# KiCad board weisse_cpu.kicad_pcb (continued)
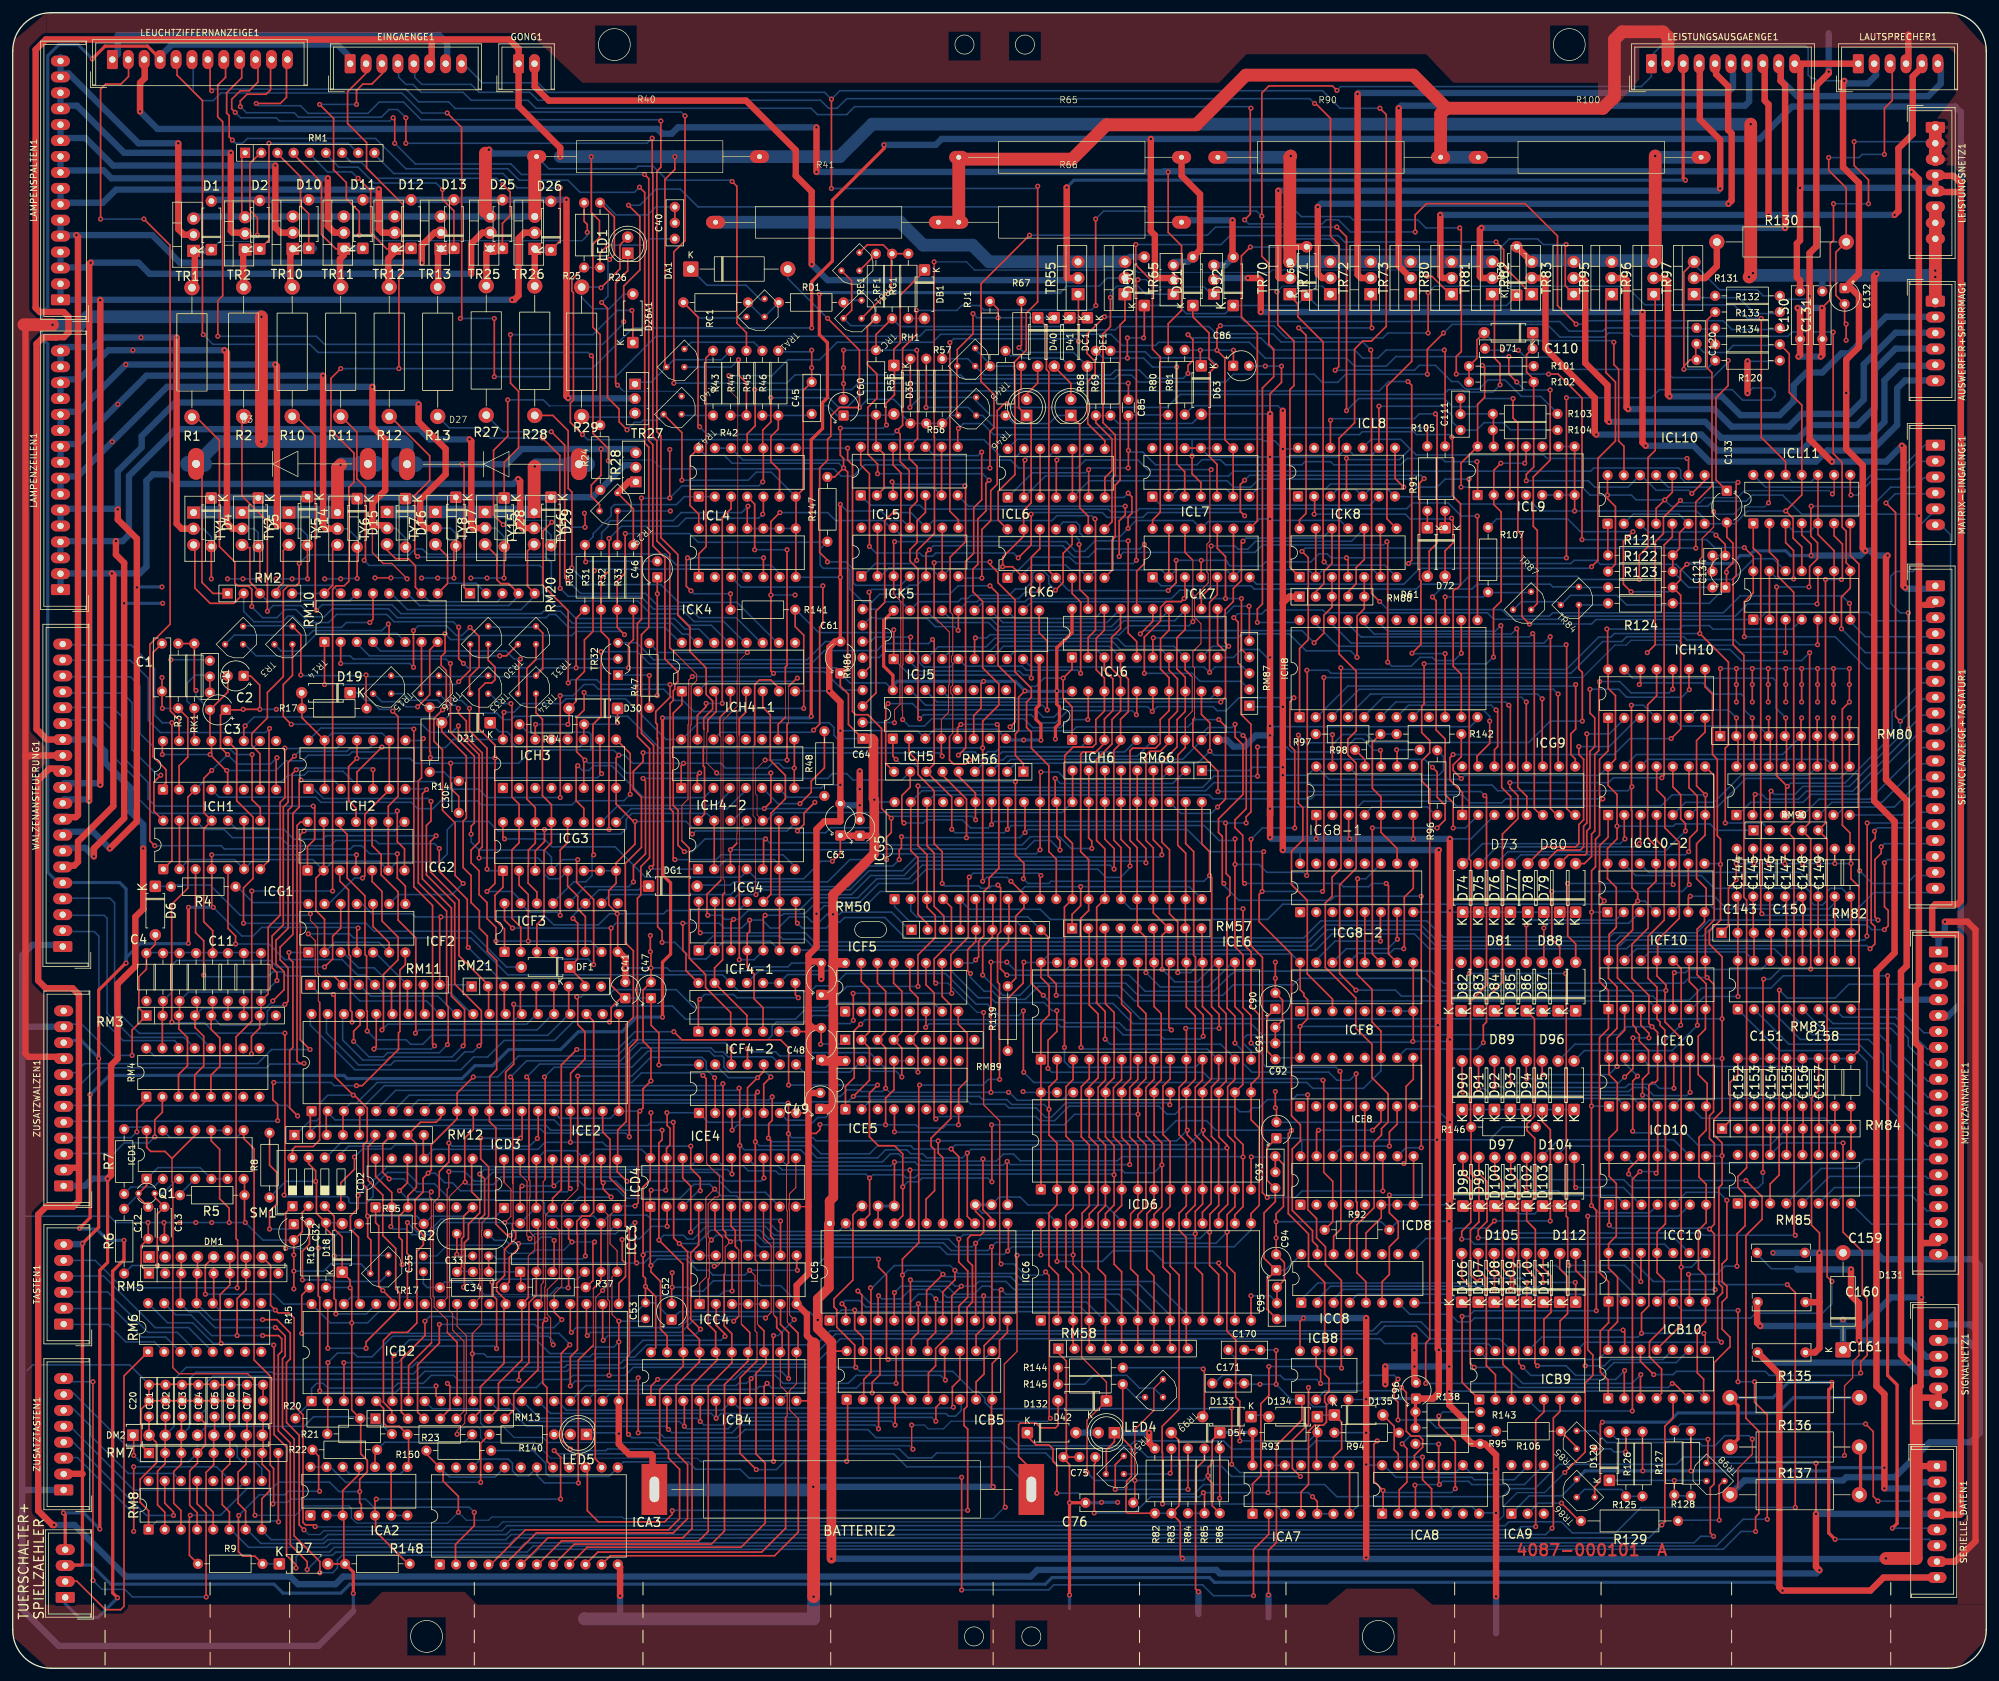
[diagram p0: board, top side]
## Routing (per net, layer and track width the routed paths; a pad name or vN(x,y) marks a point on that pad's centre or on a via; arc(x,y) is an arc through that point) (continued)
Net-(ICG8-1-Q0): length 6.3
  Top w0.25: ICG8-1.9 217.46,144.17 v1(217.38,144.25)
  Bottom w0.25: R98.2 v1(217.38,144.25)
Net-(ICG8-1-Q2): length 11.8
  Bottom w0.25: 223.5,134 222.25,135.25 213.5,135.25 212.6,134.35
Net-(ICG9-CLOCK): length 71.3
  Top w0.25: v1(226.27,131.97) 226.27,135.91 225,137.18 225,145.94 223.58,147.36 223.58,167.67 v1(223,168.25)
  Bottom w0.25: 230.2,134.01 228.17,131.97 v1(226.27,131.97) ; TR84.1 241.92,169.83 241.5,170.25 230,170.25 229.25,169.5 224.25,169.5 v1(223,168.25) ; 250.59,169.75 245.71,169.75
Net-(ICH1A-+TR1): length 78
  Top w0.25: ICH3.9 97,143.65 v1(97,137.25)
  Bottom w0.25: ICH1.4 32.42,136.8 47.6,136.8 48.4,136 62.6,136 63.6,135 66,135 67.2,136.2 73,136.2 73.6,135.6 87.85,135.6 88.5,136.25 96,136.25 v1(97,137.25)
Net-(ICH1A-Cx1): length 24
  Top w0.25: C1.2 22.05,159.54 22.05,143.15 24.08,141.12 24.08,139.09 23.6,138.6
Net-(ICH1A-Rx1_Cx1): length 21.3
  Top w0.25: v1(23.45,155.6) C1.1 23.45,151.05 23.5,151 v1(23.5,150.75) ; ICH1.2 26.14,141.74 27.5,143.1 27.5,149.25 26,150.75
  Bottom w0.25: 26,150.75 v1(23.5,150.75)
Net-(ICH1A-~{Q1}): length 118.7
  Top w0.25: v1(45,173.5) 45,170.5 44.5,170 43.25,170 42.5,169.25 42.5,155.75 40,153.25 40,149.25 37.55,146.8 37.55,144.93 38.84,143.63 ICH1.7
  Bottom w0.25: v1(45,173.5) 46.35,174.85 62.27,174.85 63.2,175.79 64.34,175.79 65.18,174.96 89.04,174.96 89.09,175 102.5,175 104.25,173.25 119.13,173.25 121,171.38
Net-(ICH1B-Cx2): length 19.4
  Top w0.25: ICH1.15 26.14,148.97 24.75,150.36 24.75,158.29 v1(24.85,158.39)
  Bottom w0.25: 30.81,158.39 v1(24.85,158.39)
Net-(ICH1B-Rx2_Cx2): length 16.2
  Top w0.25: RK1.1 28.53,145.77 ; CI1.2 CI1.2
  Bottom w0.25: 31.2,155.98 28.66,155.98 27.39,154.71 27.39,151.91 RK1.1
Net-(ICH2A-+): length 75.6
  Top w0.25: C8.1 31.4,102.32 ; 31.12,89.8 31.12,93.12 32.53,94.53 32.53,98.97 31.17,100.33 RM3.5 ; v1(45.25,139.5) 45,139.25 45,135.25 44,134.25 44,115.25 42,113.25 42,111.25 43.25,110 43.25,104.75 v1(42.75,104.25)
  Bottom w0.25: RM3.5 32.67,101 39.5,101 40,101.5 40,103.25 40.75,104 42.5,104 v1(42.75,104.25) ; v1(45.25,139.5) 50.41,139.5 51.96,137.95
Net-(ICH2B-+): length 83.6
  Top w0.25: v1(44.53,141.12) 43.9,140.48 43.9,135.4 43.26,134.77 43.26,116.23 41.36,114.32 41.36,110.64 42.63,109.37 42.63,106.57 v1(40.85,104.8) ; 28.58,89.8 28.58,93.18 30,94.59 30,99.25 28.63,100.62 RM3.4 ; v1(56.6,141.12) 56.61,141.1 ICH2.5 ; 28.98,104.62 28.98,102.2
  Bottom w0.25: RM3.4 29.75,103.62 39.68,103.62 v1(40.85,104.8) ; v1(56.6,141.12) 56.34,141.37 44.78,141.37 v1(44.53,141.12)
Net-(ICH2C-+): length 83.6
  Top w0.25: RM3.3 26.09,100.41 27.46,99.04 27.46,94.66 26.04,93.24 26.04,89.8 ; v1(44.25,143.25) 43.25,142.25 43.25,136 42.5,135.25 42.5,116.75 40.75,115 40.75,110 41.5,109.25 v1(41.5,108) ; C6.1 26.2,102.44
  Bottom w0.25: C6.1 27.59,106.19 39.69,106.19 v1(41.5,108) ; v1(44.25,143.25) 45,144 52.5,144 52.94,144.44 55.91,144.44 57.03,145.57
Net-(ICH2D-+): length 77.1
  Top w0.25: v1(42.75,144.5) 42.75,136.75 42,136 42,118.25 40.12,116.38 40.12,105.93 C11.1 39,102.34 ; RM3.8 38.79,100.54 37.5,99.25 v1(37.5,96.5)
  Bottom w0.25: 51.96,145.57 50.83,144.44 42.81,144.44 v1(42.75,144.5) ; v1(37.5,96.5) 37.2,96.2 22.18,96.2 20.96,97.42
Net-(ICH3-CLK): length 33.1
  Top w0.25: ICH3.10 92.24,140.76 v1(92.5,140.5)
  Bottom w0.25: R14.1 67.75,140.75 68.65,139.85 91.85,139.85 v1(92.5,140.5)
Net-(ICH4-1-O1): length 101.7
  Top w0.25: 36,196.32 36,184.13 40,180.13 v1(40,166)
  Bottom w0.25: 105.3,160.62 102.45,163.47 87.3,163.47 85.27,165.5 84.3,165.5 83.79,164.99 60.41,164.99 59.01,166.39 50.19,166.39 48.92,165.12 47.08,165.12 45.3,166.9 40.9,166.9 v1(40,166)
Net-(ICH4-1-O2): length 95.3
  Top w0.25: v1(47.71,166.14) 47.53,166.32 47.53,185.22 47.5,185.25 47.5,193.6 44.5,196.6
  Bottom w0.25: 107.84,160.62 106.06,162.4 105.2,162.4 103.5,164.1 87.94,164.1 86.03,166.01 83.39,166.01 83.01,165.63 60.97,165.63 59.57,167.03 48.59,167.03 v1(47.71,166.14)
Net-(ICH4-1-O3): length 87.3
  Top w0.25: 51.6,196.6 54.05,194.15 54.05,186.8 55.4,185.45 55.4,174.2 v1(55.2,174)
  Bottom w0.25: 110.38,160.62 107.8,163.2 105.6,163.2 103.93,164.87 88.47,164.87 86.57,166.77 85.3,166.77 83.2,168.87 83.2,172.8 82.8,173.2 56,173.2 v1(55.2,174)
Net-(ICH4-1-O4): length 83.8
  Top w0.25: 59.3,196.6 65.5,190.4 65.5,186.55 63.15,184.2 63.15,175.05 v1(63.6,174.6)
  Bottom w0.25: 112.92,160.62 109.74,163.8 106.2,163.8 104.4,165.6 100.2,165.6 98.2,167.6 85.61,167.6 84.6,168.61 84.6,173.69 83.79,174.5 63.69,174.5 v1(63.6,174.6)
Net-(ICH4-1-O5): length 75.8
  Top w0.25: v1(83.2,193.2) 85.93,190.47 85.93,169.67 v1(86,169.6)
  Bottom w0.25: R13.1 68.56,194.8 73.4,194.8 75,193.2 v1(83.2,193.2) ; 115.46,160.62 111.68,164.4 107,164.4 105.05,166.35 100.65,166.35 98.65,168.35 87.25,168.35 v1(86,169.6)
Net-(ICH4-1-O6): length 70.8
  Top w0.25: v1(84.6,194.2) 86.7,192.1 86.7,171.3 v1(87.2,170.8)
  Bottom w0.25: 74.38,196.8 76.98,194.2 v1(84.6,194.2) ; v1(87.2,170.8) 89.2,168.8 99.4,168.8 101.4,166.8 106,166.8 107.8,165 113.62,165 118,160.62
Net-(ICH4-1-O7): length 65.8
  Top w0.25: R28.1 84.84,196.76 87.25,194.35 87.25,185.3 87.84,184.71 87.84,172.84 v1(87.8,172.8)
  Bottom w0.25: v1(87.8,172.8) 90.4,170.2 101.8,170.2 104.6,167.4 113.76,167.4 120.54,160.62
Net-(ICH4-2A-Q4): length 19.9
  Top w0.25: v1(123.65,135.78) 125.43,137.56 125.43,139.34 127.5,141.41 R48.2
  Bottom w0.25: v1(123.65,135.78) 120.22,135.78 117.75,138.25
Net-(ICH4-2A-Reset): length 7.7
  Bottom w0.25: ICH4-2.7 121.69,136.8 127.3,136.8
Net-(ICH4-2B-Enable): length 44.3
  Top w0.1: 121.37,149.37 121.4,149.4 121.4,154.67 121.37,154.71
  Top w0.25: ICL4.4 116.54,182.83 v1(116.54,175.66) ; v1(121.62,175.66) 121.62,157.5 121.37,157.25 121.37,154.71 ; ICH4-2.10 120.24,148.24 121.37,149.37
  Bottom w0.25: v1(116.54,175.66) v1(121.62,175.66)
Net-(ICH4-2B-Q4): length 54.7
  Top w0.25: v1(125.81,147.34) 126.75,148.28 126.75,163.5 127.25,164 v1(127.25,170)
  Bottom w0.25: ICH4-2.14 111.21,147 125.47,147 v1(125.81,147.34) ; v1(127.25,170) 127.05,169.8 114.42,169.8 ICK4.3
Net-(ICH4-2B-Reset): length 41.8
  Top w0.25: ICH4-2.15 107.54,149.64 108.92,151.02 v1(108.92,151.53) ; v1(111.46,151.53) 111.46,180.74 112.83,182.11 ICL4.3
  Bottom w0.25: v1(111.46,151.53) v1(108.92,151.53)
Net-(ICH8-COM): length 128.1
  Top w0.25: v1(264.37,175.92) 264.37,183.16 266.92,185.7 266.92,200.42 266.91,200.43 266.91,203.47 266.15,204.24 266.15,211.73 R132.1 ; v1(202.52,175.41) 203.5,174.43 203.5,161.53 202.14,160.17 ICH8.1
  Bottom w0.25: v1(264.37,175.92) 264.36,175.93 203.04,175.93 v1(202.52,175.41)
Net-(ICH8-~{E}): length 17.6
  Top w0.25: 225,164.24 v1(225,168.25)
  Bottom w0.25: v1(225,168.25) 231,168.25 R107.2 ; 238.4,168.93 231.82,168.93
Net-(ICK4A-D): length 29
  Top w0.25: v1(106,174.39) 105.8,174.19 105.8,169.95 v1(106.54,169.21) ; v1(117.94,174.39) 117.92,174.38 ICK4.5 ; v1(112.75,168.75) 112.75,166.64
  Bottom w0.25: v1(117.94,174.39) 117.93,174.4 106.01,174.4 v1(106,174.39) ; v1(106.54,169.21) 107,168.75 v1(112.75,168.75)
Net-(ICK4A-Q): length 36.5
  Top w0.25: ICK4.1 107.76,175.01 108.92,176.17 108.92,179.43 108.88,179.48 108.88,205.78 R42.2
Net-(ICL6-Pad4): length 11.6
  Top w0.25: ICL6.4 163.92,189.67 v1(164,189.75)
  Bottom w0.25: v1(164,189.75) 164.5,190.25 167.75,190.25 ICL6.9
Net-(ICL6-Pad12): length 7.6
  Top w0.25: ICL6.3 ICL6.12
Net-(ICL8A-S): length 36.7
  Bottom w0.25: ICL7.1 180.36,182.66 213.19,182.66 ICL8.6
Net-(ICL8B-S): length 32
  Top w0.25: 217.14,191.65 217.14,186.86 v1(218.5,185.5)
  Bottom w0.25: v1(218.5,185.5) 218,186 207,186 206.25,185.25 195.5,185.25 ICL7.7
Net-(ICL9-Pad12): length 7.6
  Top w0.25: ICL9.3 ICL9.12
Net-(ICL10A-CV): length 21
  Top w0.25: v1(267.54,177.95) 269,176.49 C134.2 ; C121.2 C121.2
  Bottom w0.25: C121.2 C134.2 ; ICL10.3 256.9,178.46 267.04,178.46 v1(267.54,177.95)
Net-(ICL10A-DIS): length 4.9
  Top w0.25: 250.55,179.72 250.55,174.85
Net-(ICL10A-THR): length 27.2
  Top w0.25: R122.2 R121.2 261.83,175.87 261.83,178.35 ICL10.6
  Bottom w0.25: ICL10.2 254.56,181.25 261.73,181.25 ICL10.6 ; R122.2 263.26,169.75 C121.1
Net-(ICL10B-CV): length 74.2
  Top w0.25: v1(269.45,205.38) 269.45,201.44 267.54,199.54 267.54,186.64 C133.1
  Bottom w0.25: 231.5,207 v1(234,207) v1(236.5,207) 237.61,205.89 242.02,205.89 243.92,203.98 259.42,203.98 260.69,202.71 267.04,202.71 269.45,205.13 v1(269.45,205.38) ; 268.68,185.5 260.01,185.5 ICL10.11
Net-(ICL10B-Q): length 72.2
  Top w0.25: ICL10.9 263.23,189.78 v1(263,190) ; v1(209.5,190) 209.5,190 ICL8.4
  Bottom w0.25: 219.5,191.5 218,193 213.38,193 ICL8.10 ; 219.5,191.5 220.45,190.55 240.45,190.55 241,190 v1(263,190) ; 219.5,191.5 217.82,189.82 209.68,189.82 v1(209.5,190)
Net-(LED1-K): length 32.4
  Top w0.25: LED1.1 96.6,219.48 94.7,217.57 94.7,201.8 v1(95,201.5)
  Bottom w0.15: TR41.1 104.27,200.55 95.97,200.55 95.76,200.75
  Bottom w0.25: 95.76,200.75 95.75,200.75 v1(95,201.5)
Net-(LED4-K): length 15.3
  Top w0.25: 171.79,30.58 171.79,34.31 173.06,35.58 LED4.1
  Top w1: R82.2 178.5,35.4 v1(178.5,37)
  Bottom w1: LED4.1 v1(178.5,37)
Net-(LED5-A): length 2.5
  Bottom w0.25: R140.2 LED5.2
Net-(MUENZANNAHME1-Pin_3): length 60.5
  Top w0.25: v1(277.5,106.5) 277.46,106.47 277.46,77.46 276.05,76.05 RM85.3
  Bottom w0.25: 302.5,107.42 288.42,107.42 286.25,105.25 278.75,105.25 v1(277.5,106.5)
Net-(MUENZANNAHME1-Pin_6): length 15.3
  Bottom w0.25: RM83.8 296.5,103.5 300.2,99.8 302.5,99.8
Net-(MUENZANNAHME1-Pin_7): length 18.9
  Bottom w0.25: 302.5,97.26 300.74,97.26 295.75,102.25 287.46,102.25 RM83.7
Net-(MUENZANNAHME1-Pin_8): length 23.2
  Bottom w0.25: RM83.6 285.92,101.25 295.5,101.25 297.75,99 297.75,97.75 300.78,94.72 302.5,94.72
Net-(MUENZANNAHME1-Pin_9): length 27.5
  Bottom w0.25: 302.5,92.18 300.82,92.18 296.5,96.5 296.5,99 295,100.5 284.13,100.5 RM83.5
Net-(MUENZANNAHME1-Pin_10): length 31
  Bottom w0.25: RM83.4 282.59,99.5 293.25,99.5 294.98,97.78 294.98,95.53 300.86,89.64 302.5,89.64
Net-(MUENZANNAHME1-Pin_11): length 34.7
  Bottom w0.25: 302.5,87.1 300.65,87.1 293.83,93.92 293.83,96.42 291.5,98.75 280.8,98.75 RM83.3
Net-(MUENZANNAHME1-Pin_12): length 38.3
  Bottom w0.25: 302.5,84.56 300.94,84.56 292.5,93 292.5,95.5 290,98 279.01,98 RM83.2
Net-(MUENZANNAHME1-Pin_13): length 42.6
  Bottom w0.25: RM83.1 277.47,97 289.5,97 291.25,95.25 291.25,91.5 300.73,82.02 302.5,82.02
Net-(MUENZANNAHME1-Pin_14): length 26.3
  Bottom w0.25: RM85.4 284.09,78.5 289.5,78.5 290.9,79.9 302.08,79.9
Net-(MUENZANNAHME1-Pin_15): length 23.3
  Bottom w0.25: RM85.5 285.38,77.25 300.5,77.25 300.81,76.94 302.5,76.94
Net-(MUENZANNAHME1-Pin_16): length 20.3
  Bottom w0.25: 302.5,74.4 300.6,74.4 299.5,75.5 286.17,75.5 RM85.6
Net-(MUENZANNAHME1-Pin_17): length 17.8
  Bottom w0.25: RM85.7 287.46,74.25 298.25,74.25 300.64,71.86 302.5,71.86
Net-(MUENZANNAHME1-Pin_18): length 14.7
  Bottom w0.25: 302.08,69.74 292.01,69.74 RM85.8
Net-(R136-Pad2): length 7.1
  Top w0.5: 290.25,34.57 290.25,27.43
Net-(RM3-R5): length 2.2
  Top w0.25: C9.1 33.8,102.59
Net-(RM3-R6): length 2.2
  Top w0.25: C10.1 36.3,102.55
Net-(RM7-R4): length 18.5
  Top w0.25: 31.56,36.58 RM7.5 31.56,31.96 30.38,30.77 30.38,25.62 31.5,24.5 RM8.5 ; C24.1 31.7,36.72
Net-(RM7-R8): length 51.6
  Top w0.25: DM2.2 22.56,35.45 22.56,32.23 20.02,29.69 20.02,26.06 21.34,24.74 RM8.1 ; RM7.9 41.72,23.03 v1(41.75,23) ; C20.1 21.4,36.61
  Bottom w0.25: v1(41.75,23) 41.62,23.12 22.66,23.12 RM8.1
Net-(RM10A-R1.1): length 34.6
  Top w0.25: TR30.3 71.86,156.76 v1(70.05,154.95) ; RM10.1 v1(48.97,154.5)
  Bottom w0.25: v1(70.05,154.95) 69.6,154.5 v1(48.97,154.5)
Net-(RM10B-R2.1): length 42.6
  Top w0.25: v1(71.84,163.47) 73.25,162.06 73.25,157.25 71.75,155.75 71.75,153.42 71.86,153.31 ; RM10.2 v1(51.51,157.8) ; v1(62.95,162.96) 62.95,161.8 62.95,161.8 v1(62.95,157.2)
  Bottom w0.25: v1(71.84,163.47) 70.57,162.2 69.68,162.2 68.15,163.72 63.71,163.72 v1(62.95,162.96) ; v1(51.51,157.8) 62.35,157.8 v1(62.95,157.2)
Net-(RM10C-R3.1): length 26.9
  Top w0.25: TR31.3 77.55,159 v1(76.5,159)
  Bottom w0.25: 54.05,160.97 56.03,159 v1(76.5,159)
Net-(RM10D-R4.1): length 29.6
  Top w0.25: 79.5,153.2 79.5,158.25 v1(79.75,158.5)
  Bottom w0.25: 56.59,160.96 57.79,159.75 77.5,159.75 78.75,158.5 v1(79.75,158.5)
Net-(RM10E-R5.1): length 29.8
  Top w0.25: v1(59,164) 59.13,163.87 RM10.5
  Bottom w0.25: v1(59,164) 57.96,162.96 47.2,162.96 46.49,162.25 34.8,162.25 TR3.3
Net-(RM10F-R6.1): length 22.7
  Bottom w0.25: RM10.6 60.34,162.51 47.76,162.51 45,159.75 42.17,159.75 TR14.3
Net-(RM10G-R7.1): length 8
  Top w0.25: RM10.7 64.21,153.16
Net-(RM10H-R8.1): length 19.5
  Top w0.25: RM10.8 65.5,159.93 65.5,152.9 v1(63.6,151)
  Bottom w0.25: v1(63.6,151) 61.8,151 61,151.8 57.97,151.8 56.51,153.26
Net-(TR17-G): length 23.5
  Top w0.25: v1(45.5,61) 45.5,65.51 46.6,66.61 R15.2
  Bottom w0.25: TR17.2 57.75,60.75 50,60.75 49.75,61 v1(45.5,61)
Net-(TR27-B): length 8.1
  Bottom w0.25: 89.82,196.49 97.33,196.49 97.74,196.9
Net-(TR28-B): length 12.8
  Top w0.25: R33.2 97.49,182.09 TR29.1
  Top w1: 97.87,186.4 96.82,186.4 TR29.1
Net-(TR29-B): length 13.6
  Top w0.25: TR29.2 95,176.47
  Bottom w0.25: TR29.2 v1(103.3,181.75)
Net-(TR32-B): length 10
  Top w0.25: R47.1 v1(100,155.92)
  Bottom w0.25: TR32.1 99.94,155.98 v1(100,155.92)
Net-(TR32-C): length 100.9
  Top w0.25: 28.8,196.5 32.47,192.83 32.47,176.17 34.88,173.76 34.88,170.46 35.39,169.95 37.04,169.95 37.55,169.44 v1(37.55,166.75) ; v1(70.8,157.8) 70.05,158.55 v1(70.05,163.5)
  Bottom w0.25: v1(70.8,157.8) 71.48,157.12 80.85,157.12 82.25,158.52 94.48,158.52 ; v1(70.05,163.5) 69.19,164.36 59.89,164.36 58.75,165.5 50.88,165.5 49.61,164.23 46.52,164.23 44.49,166.26 42.76,166.26 41.49,164.99 39.26,164.99 37.55,166.7 v1(37.55,166.75)
Net-(TR40-B): length 20.7
  Top w0.25: R44.1 115.25,201.84 114,203.09 v1(114,205.5)
  Bottom w0.25: R43.1 R44.1 ; TR40.2 112.85,204.35 v1(114,205.5)
Net-(TR40-C): length 13.2
  Bottom w0.25: R45.2 116.41,208.25 106.57,208.25 TR40.1
Net-(TR41-B): length 4.8
  Bottom w0.25: R42.1 105.25,196.75
Net-(TR45-B): length 105
  Top w0.25: v1(224.87,207.03) 225,206.9 R105.1 ; v1(184.61,203.35) 184.61,204.62 185.37,205.38 185.37,208.68 v1(184.61,209.44)
  Bottom w0.25: v1(184.61,203.35) 183.85,202.59 178.26,202.59 176.99,203.86 173.18,203.86 172.43,203.1 152.59,203.1 TR45.2 150.03,205.66 R57.2 ; v1(184.61,209.44) 185.12,208.94 196.04,208.94 197.95,207.03 210.77,207.03 212.04,205.76 214.46,205.76 215.73,207.03 v1(224.87,207.03)
Net-(TR46-B): length 90.8
  Top w0.25: R56.2 143.5,198.05 v1(143.46,198.01) ; v1(222,195) 222.2,194.8 R91.2
  Bottom w0.25: v1(143.46,198.01) 150.09,198.01 TR46.2 152.34,196.76 154.27,194.82 221.82,194.82 v1(222,195)
Net-(TR55-B): length 57.6
  Top w0.25: v1(167.4,208.4) 167.4,215.73 ; ICK5.8 148.54,180.37 147.2,181.71 v1(147.2,208.2)
  Bottom w0.25: v1(167.4,208.4) 167,208.8 147.8,208.8 v1(147.2,208.2)
Net-(TR56-B): length 45.9
  Top w0.25: ICK6.7 172.67,172.43 172.67,177.19 173.18,177.69 173.18,185.82 173.94,186.58 173.94,210.97 174.71,211.73 TR56.1
Net-(TR57-B): length 11.3
  Top w0.25: v1(181.82,30.63) 182,30.81 R83.2
  Bottom w0.25: TR57.2 181.69,30.5 v1(181.82,30.63)
Net-(TR57-C): length 23.6
  Top w0.25: v1(184.61,28.09) 184.6,28.1 R84.2 ; v1(173.18,28.09) 173.18,31.98 TR57.1
  Bottom w0.25: v1(173.18,28.09) v1(184.61,28.09)
Net-(TR65-B): length 50
  Top w0.25: ICK6.8 172.67,180.05 172.67,186.84 173.18,187.35 173.18,193.7 171.26,195.62 171.26,209.55 172.42,210.71 v1(172.42,215.29)
  Bottom w0.2: v1(172.42,215.29) 172.42,216.06 173.42,217.06 176.74,217.06
  Bottom w0.25: 176.74,217.06 178.01,215.79 TR65.1
Net-(TR66-B): length 78.9
  Top w0.25: v1(176.74,218.08) 176.5,217.84 v1(176.5,174)
  Bottom w0.15: 187.14,216.94 179.15,216.94 178.95,217.13
  Bottom w0.2: 178.95,217.13 178.01,218.08 v1(176.74,218.08)
  Bottom w0.25: 188.28,215.79 187.14,216.94 ; v1(176.5,174) 176,173.5 167,173.5 166,174.5 160,174.5 158,172.5 157.5,172.5 ICK6.1
Net-(TR70-B): length 56.4
  Top w0.25: v1(206,173.75) 205.84,173.91 205.84,208.28 201.88,212.24 201.88,214.26 200.61,215.53
  Bottom w0.25: ICK8.7 215.51,173.25 206.5,173.25 v1(206,173.75)
Net-(TR71-B): length 56.1
  Top w0.25: v1(198.58,216.18) 198.71,216.05 198.71,210.97 201.25,208.43 201.25,201.44 200.61,200.81 200.61,172.9 ICK8.1
  Bottom w0.15: 205.69,217.07 199.48,217.07 v1(198.58,216.18)
  Bottom w0.25: TR71.1 205.69,217.07
Net-(TR72-B): length 49.1
  Top w0.25: v1(213.5,210.5) 213.4,210.6 213.4,215.71 ; v1(202,210.5) 203.15,209.35 203.15,181.38 202.14,180.36 ICK8.14
  Bottom w0.25: v1(213.5,210.5) v1(202,210.5)
Net-(TR73-B): length 38.9
  Top w0.25: ICK8.8 215.85,180.52 215.85,201.35 219.75,205.25 219.75,215.64
Net-(TR80-B): length 141.3
  Top w0.2: v1(144.73,220.87) 144.73,193.44 144.77,193.4
  Top w0.25: v1(222.2,218.59) 222.97,218.59 225.76,215.79 ; 144.77,193.4 144.77,178.24 142,175.47 v1(142,174)
  Bottom w0.15: 173.99,219.59 176.36,219.59 176.72,219.22 197.46,219.22 197.82,219.59 221.21,219.59
  Bottom w0.2: v1(144.73,220.87) 149.81,220.87 151.1,219.59 168.57,219.59 168.58,219.57 173.97,219.57 173.99,219.59 ; v1(222.2,218.59) 221.21,219.59
  Bottom w0.25: 133.3,171.3 135.5,173.5 141.5,173.5 v1(142,174)
Net-(TR81-B): length 126.4
  Top w0.25: 232.75,215.45 232.75,205.76 233.63,204.87 v1(233.63,201.57) ; v1(152.23,171.22) 152.23,178.84 153.62,180.23 153.62,184.93 154.64,185.95 154.64,197.51 155.73,198.6 v1(156.2,198.6)
  Bottom w0.25: 148.82,171.22 v1(152.23,171.22) ; v1(156.2,198.6) 156.79,198.01 181.31,198.01 183.34,200.05 224.74,200.05 225.51,200.81 227.65,200.81 228.03,200.43 232.49,200.43 v1(233.63,201.57)
Net-(TR82-B): length 114.8
  Top w0.25: v1(233,224) 234.2,222.8 234.2,220.19 TR82.1 ; ICK7.14 179.05,180.35 180.25,181.55 180.25,205.93 179.02,207.16 179.02,217.78 176.4,220.4 v1(176.4,223.6)
  Bottom w0.25: v1(233,224) 209.2,224 208.2,225 191.2,225 189.8,223.6 v1(176.4,223.6)
Net-(TR83-B): length 106.6
  Top w0.25: ICK7.8 195.5,180.18 195.5,209.75 193,212.25 193,221.8 v1(194.4,223.2) ; TR83.1 243.87,217.13 243.87,223.47 v1(244,223.6)
  Bottom w0.25: v1(244,223.6) 240.4,223.6 239.52,224.48 235.08,224.48 233.4,222.8 208.6,222.8 206.92,224.48 200.88,224.48 199.6,223.2 v1(194.4,223.2)
Net-(TR85-B): length 3.5
  Top w0.25: R106.1 245.66,34.73
Net-(TR85-C): length 8.2
  Top w0.25: v1(253.35,34) 253.4,34.05 R125.2
  Bottom w0.25: TR85.1 251.04,34.46 251.5,34 v1(253.35,34)
Net-(TR86-B): length 11.1
  Bottom w0.25: TR86.2 246.89,28.09 252.68,28.09 253.4,27.37 ; R126.1 R125.1
Net-(TR86-C): length 54.3
  Top w0.25: v1(249.7,38.65) 249.38,38.33 249.38,29.36 248.49,28.47 TR86.1
  Bottom w0.5: v1(249.7,38.65) 260.1,38.65 261.55,40.1 277.3,40.1 279.7,42.5 R135.2
Net-(TR95-B): length 100.6
  Top w0.25: v1(248,173) 249,174 249,190 251.75,192.75 251.75,202 250.25,203.5 250.25,214.88 TR95.1
  Bottom w0.25: v1(248,173) 247.75,172.75 221,172.75 218.5,170.25 195.38,170.25 ICK7.7
Net-(TR96-B): length 123.8
  Top w0.25: 258,215.56 258,191.26 256.88,190.14 256.88,176.17 255.5,174.79 v1(255.5,171)
  Bottom w0.25: v1(255.5,171) 246.25,171 245.75,171.5 228.75,171.5 227.5,170.25 221.25,170.25 220.5,169.5 195,169.5 194.5,170 180.4,170 ICK7.1
Net-(TR97-B): length 13.1
  Bottom w0.25: 267.71,215.25 271.13,215.25 273.63,212.75 277.33,212.75 ; 267.13,215.25 264.66,215.25
Net-(TR97-C): length 8.2
  Top w1: R130.1 267.68,220.18 265.83,218.33 TR97.2
Net-(TR98-C): length 12.7
  Top w0.25: 268.73,29.4 268.05,28.72 v1(268.05,23.26)
  Bottom w0.25: 261.74,23.25 268.04,23.25 v1(268.05,23.26)
Net-(TR99-B): length 21.1
  Top w0.25: R144.1 R145.1
  Bottom w0.25: R145.1 168.35,44.6 169.75,46 175,46 177,44 179.25,44 TR99.2
Net-(TRA1-B): length 6.8
  Bottom w0.25: RD1.1 117.94,212.1 ; RC1.2 117.94,212.06
Net-(TRB1-B): length 3.7
  Top w0.25: 135.59,222.09 TRB1.2
Net-(TRB1-C): length 20.7
  Top w0.25: 138,222.01 138,216.67 TRC1.2 ; RF1.2 136.73,223.54 134.21,223.54 TRB1.1 ; RG1.2 138.15,222.16
Net-(TRC1-C): length 2.5
  Bottom w0.25: TRC1.1 130.83,214.83
unconnected-(ICD2B-~{Q}-Pad8): length 21.6
  Top w0.25: v1(70.82,59.84) 70.95,59.96 70.95,62.81 70.95,62.81 70.95,66.83 71.58,67.46 71.58,69.74 73.37,71.53 73.37,73.55 72.09,74.82 72.09,79.87

## Copper pours and planes (outline as drawn; the poured copper is in the pictures)
GND on Bottom: 4.5,260 0,255.5 0.08,214.91 4.65,214.91 5.01,255.18 6.18,256.5 11.5,256.5 12.53,255.29 82.5,255.42 88.47,249.19 249.5,249 256.24,255.29 303.74,255.29 305.01,253.89 305.01,247.93 307.68,245.38 307.8,102.76 305.52,100.48 305.5,64.75 310,64.75 310,254.5 305,260
GND on Bottom: 310,4.5 305.5,0 5.5,0 0,5 0,14.5 0.08,214.91 4.65,214.91 3.38,213.63 3.38,208.43 4.91,206.9 5.27,9.52 9,6 15,6 18.5,10 56,10 58,12 71,12 73,10 206.5,10 209.5,12.5 220,12.5 223,10 305.5,10 305.5,51 302.5,51 302.5,54.5 305.5,54.5 305.5,64.75 310,64.75
GNDPWR on Top: 0,5 5.5,0 305.5,0 310,4.5 310,10 223,10 220,12.5 209.5,12.5 206.5,10 73,10 71,12 58,12 56,10 5,10 5.3,260 0,255.5
GNDPWR on Top: 5.3,260 1.5,256.8 81.1,256.8 89.5,249 189.5,249 193.8,253.5 222,253.5 226.3,249 249,249 249,245.5 252,245.5 255.5,249.5 255.5,254.5 304.1,254.5 305.2,253.5 305.21,247.25 301.75,242.75 301.75,236 305.22,236 305.5,5 310,5 310,254.5 305,260

## Text on the board
B.Silkscreen: ICE6 | ICD6 | ICC6 | 9 8 7   5 4 3 2 1 | 9 8 7 6 5 4 3 2 1 | 1 2 3 4 5 6 7 8 9
Top: 4087-000101  A
F.Silkscreen: TUERSCHALTER+ / SPIELZAEHLER
